# Altium PCB PCB5.PcbDoc (part 12 of 16)
Units mil, origin at the board's own origin, x right, y up, seen from the top; angles counter-clockwise.
Board outline 9210.27 x 4350.4 mil, 4 copper layers (Top Layer, Layer 1, Layer 2, Bottom Layer), stack 23.756 mil thick; 1550 components, 1731 nets, 5196 pads, 1890 vias.
Unrouted connection lines stored in the file: 2462.
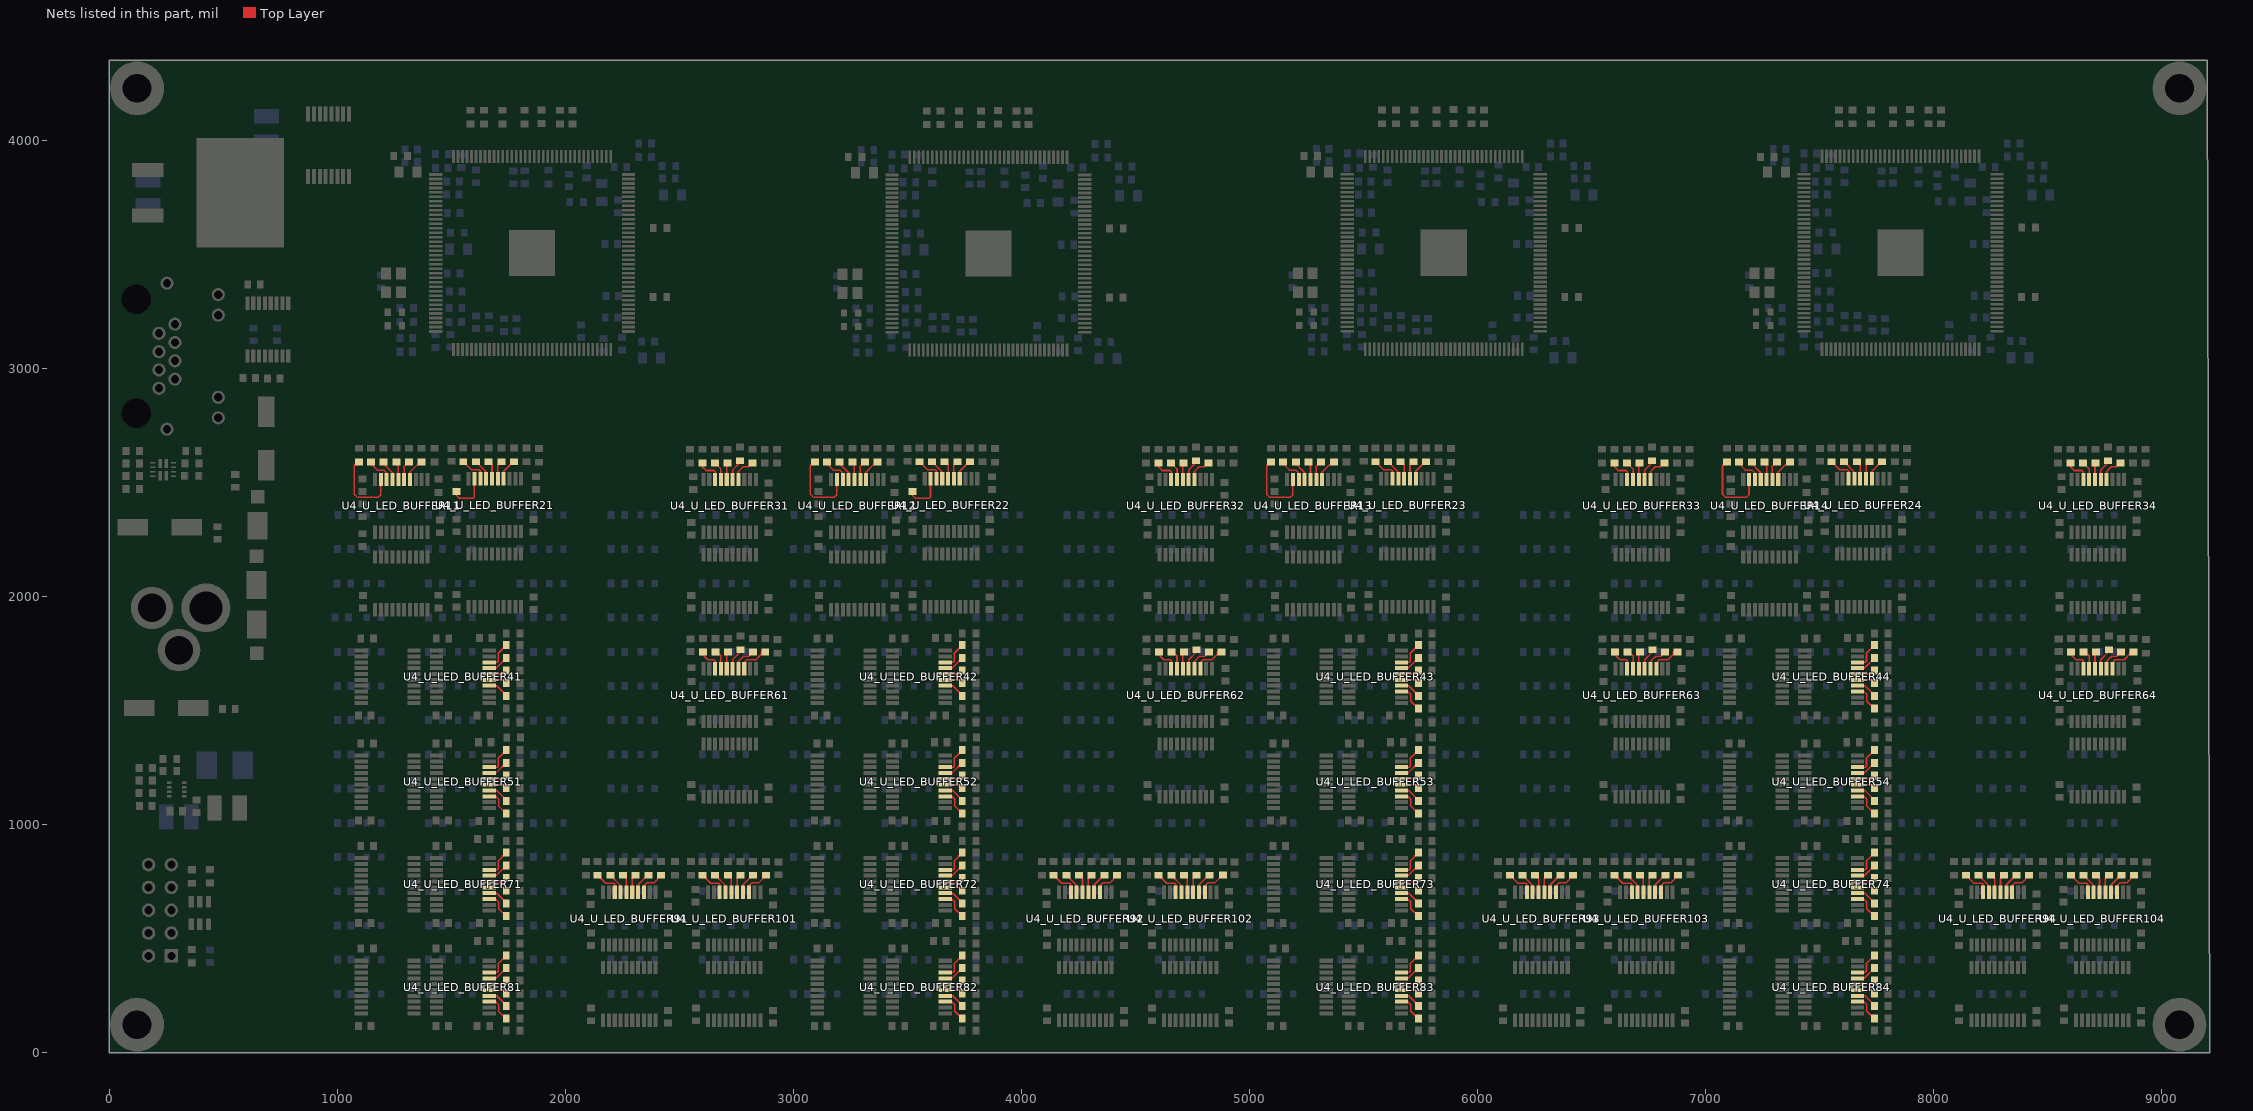
[diagram p14: the nets of this part, all layers, seen from the top]

## Via types
v1: diameter 24, hole 12, Top Layer to Bottom Layer, tented both sides, 1882 vias
v2: diameter 24, hole 12, Top Layer to Bottom Layer, 8 vias

## Nets (pads, with @x,y where several pads share a name; then routed paths per layer and width w, separated by ;. In a path a pad name is that pad's centre, name@x,y a point inside that pad or via, vN(x,y) a via of type N, cw(c..) or ccw(c..) an arc to the next point about the centre after c; other vN are vias at no path point) (continued)
NetR48_U_LED_BUFFER43_1: R48_U_LED_BUFFER43.1 U4_U_LED_BUFFER43.3 | length 122.9
  Top Layer w7: U4_U_LED_BUFFER43.3@5666.3,1583.19 5694.61,1583.19 5707.16,1570.63 5707.16,1540.63 5739.52,1508.28 R48_U_LED_BUFFER43.1@5740.63,1508.28
NetR48_U_LED_BUFFER44_1: R48_U_LED_BUFFER44.1 U4_U_LED_BUFFER44.3 | length 122.9
  Top Layer w7: U4_U_LED_BUFFER44.3@7666.3,1583.19 7694.61,1583.19 7707.16,1570.63 7707.16,1540.63 7739.52,1508.28 R48_U_LED_BUFFER44.1@7740.63,1508.28
NetR48_U_LED_BUFFER51_1: R48_U_LED_BUFFER51.1 U4_U_LED_BUFFER51.3 | length 122.9
  Top Layer w7: U4_U_LED_BUFFER51.3@1666.3,1123.19 1694.61,1123.19 1707.16,1110.63 1707.16,1080.63 1739.52,1048.28 R48_U_LED_BUFFER51.1@1740.63,1048.28
NetR48_U_LED_BUFFER52_1: R48_U_LED_BUFFER52.1 U4_U_LED_BUFFER52.3 | length 122.9
  Top Layer w7: U4_U_LED_BUFFER52.3@3666.3,1123.19 3694.61,1123.19 3707.16,1110.63 3707.16,1080.63 3739.52,1048.28 R48_U_LED_BUFFER52.1@3740.63,1048.28
NetR48_U_LED_BUFFER53_1: R48_U_LED_BUFFER53.1 U4_U_LED_BUFFER53.3 | length 122.9
  Top Layer w7: U4_U_LED_BUFFER53.3@5666.3,1123.19 5694.61,1123.19 5707.16,1110.63 5707.16,1080.63 5739.52,1048.28 R48_U_LED_BUFFER53.1@5740.63,1048.28
NetR48_U_LED_BUFFER54_1: R48_U_LED_BUFFER54.1 U4_U_LED_BUFFER54.3 | length 122.9
  Top Layer w7: U4_U_LED_BUFFER54.3@7666.3,1123.19 7694.61,1123.19 7707.16,1110.63 7707.16,1080.63 7739.52,1048.28 R48_U_LED_BUFFER54.1@7740.63,1048.28
NetR48_U_LED_BUFFER61_1: R48_U_LED_BUFFER61.1 U4_U_LED_BUFFER61.3 | length 128
  Top Layer w7: U4_U_LED_BUFFER61.3@2784.61,1682.83 2784.61,1709.99 2796.99,1722.37 2835.71,1722.37 2859.52,1746.18 R48_U_LED_BUFFER61.1@2859.52,1757.16
NetR48_U_LED_BUFFER62_1: R48_U_LED_BUFFER62.1 U4_U_LED_BUFFER62.3 | length 128
  Top Layer w7: U4_U_LED_BUFFER62.3@4784.61,1682.83 4784.61,1709.99 4796.99,1722.37 4835.71,1722.37 4859.52,1746.18 R48_U_LED_BUFFER62.1@4859.52,1757.16
NetR48_U_LED_BUFFER63_1: R48_U_LED_BUFFER63.1 U4_U_LED_BUFFER63.3 | length 128
  Top Layer w7: U4_U_LED_BUFFER63.3@6784.61,1682.83 6784.61,1709.99 6796.99,1722.37 6835.71,1722.37 6859.52,1746.18 R48_U_LED_BUFFER63.1@6859.52,1757.16
NetR48_U_LED_BUFFER64_1: R48_U_LED_BUFFER64.1 U4_U_LED_BUFFER64.3 | length 128
  Top Layer w7: U4_U_LED_BUFFER64.3@8784.61,1682.83 8784.61,1709.99 8796.99,1722.37 8835.71,1722.37 8859.52,1746.18 R48_U_LED_BUFFER64.1@8859.52,1757.16
NetR48_U_LED_BUFFER71_1: R48_U_LED_BUFFER71.1 U4_U_LED_BUFFER71.3 | length 122.9
  Top Layer w7: U4_U_LED_BUFFER71.3@1666.3,673.19 1694.61,673.19 1707.16,660.63 1707.16,630.63 1739.52,598.28 R48_U_LED_BUFFER71.1@1740.63,598.28
NetR48_U_LED_BUFFER72_1: R48_U_LED_BUFFER72.1 U4_U_LED_BUFFER72.3 | length 122.9
  Top Layer w7: U4_U_LED_BUFFER72.3@3666.3,673.19 3694.61,673.19 3707.16,660.63 3707.16,630.63 3739.52,598.28 R48_U_LED_BUFFER72.1@3740.63,598.28
NetR48_U_LED_BUFFER73_1: R48_U_LED_BUFFER73.1 U4_U_LED_BUFFER73.3 | length 122.9
  Top Layer w7: U4_U_LED_BUFFER73.3@5666.3,673.19 5694.61,673.19 5707.16,660.63 5707.16,630.63 5739.52,598.28 R48_U_LED_BUFFER73.1@5740.63,598.28
NetR48_U_LED_BUFFER74_1: R48_U_LED_BUFFER74.1 U4_U_LED_BUFFER74.3 | length 122.9
  Top Layer w7: U4_U_LED_BUFFER74.3@7666.3,673.19 7694.61,673.19 7707.16,660.63 7707.16,630.63 7739.52,598.28 R48_U_LED_BUFFER74.1@7740.63,598.28
NetR48_U_LED_BUFFER81_1: R48_U_LED_BUFFER81.1 U4_U_LED_BUFFER81.3 | length 122.9
  Top Layer w7: U4_U_LED_BUFFER81.3@1666.3,223.19 1694.61,223.19 1707.16,210.63 1707.16,180.63 1739.52,148.28 R48_U_LED_BUFFER81.1@1740.63,148.28
NetR48_U_LED_BUFFER82_1: R48_U_LED_BUFFER82.1 U4_U_LED_BUFFER82.3 | length 122.9
  Top Layer w7: U4_U_LED_BUFFER82.3@3666.3,223.19 3694.61,223.19 3707.16,210.63 3707.16,180.63 3739.52,148.28 R48_U_LED_BUFFER82.1@3740.63,148.28
NetR48_U_LED_BUFFER83_1: R48_U_LED_BUFFER83.1 U4_U_LED_BUFFER83.3 | length 122.9
  Top Layer w7: U4_U_LED_BUFFER83.3@5666.3,223.19 5694.61,223.19 5707.16,210.63 5707.16,180.63 5739.52,148.28 R48_U_LED_BUFFER83.1@5740.63,148.28
NetR48_U_LED_BUFFER84_1: R48_U_LED_BUFFER84.1 U4_U_LED_BUFFER84.3 | length 122.9
  Top Layer w7: U4_U_LED_BUFFER84.3@7666.3,223.19 7694.61,223.19 7707.16,210.63 7707.16,180.63 7739.52,148.28 R48_U_LED_BUFFER84.1@7740.63,148.28
NetR48_U_LED_BUFFER91_1: R48_U_LED_BUFFER91.1 U4_U_LED_BUFFER91.3 | length 122.9
  Top Layer w7: U4_U_LED_BUFFER91.3@2344.61,702.83 2344.61,731.14 2357.16,743.7 2387.16,743.7 2419.52,776.05 R48_U_LED_BUFFER91.1@2419.52,777.16
NetR48_U_LED_BUFFER92_1: R48_U_LED_BUFFER92.1 U4_U_LED_BUFFER92.3 | length 122.9
  Top Layer w7: U4_U_LED_BUFFER92.3@4344.61,702.83 4344.61,731.14 4357.16,743.7 4387.16,743.7 4419.52,776.05 R48_U_LED_BUFFER92.1@4419.52,777.16
NetR48_U_LED_BUFFER93_1: R48_U_LED_BUFFER93.1 U4_U_LED_BUFFER93.3 | length 122.9
  Top Layer w7: U4_U_LED_BUFFER93.3@6344.61,702.83 6344.61,731.14 6357.16,743.7 6387.16,743.7 6419.52,776.05 R48_U_LED_BUFFER93.1@6419.52,777.16
NetR48_U_LED_BUFFER94_1: R48_U_LED_BUFFER94.1 U4_U_LED_BUFFER94.3 | length 122.9
  Top Layer w7: U4_U_LED_BUFFER94.3@8344.61,702.83 8344.61,731.14 8357.16,743.7 8387.16,743.7 8419.52,776.05 R48_U_LED_BUFFER94.1@8419.52,777.16
NetR48_U_LED_BUFFER101_1: R48_U_LED_BUFFER101.1 U4_U_LED_BUFFER101.3 | length 122.9
  Top Layer w7: U4_U_LED_BUFFER101.3@2804.61,702.83 2804.61,731.14 2817.16,743.7 2847.16,743.7 2879.52,776.05 R48_U_LED_BUFFER101.1@2879.52,777.16
NetR48_U_LED_BUFFER102_1: R48_U_LED_BUFFER102.1 U4_U_LED_BUFFER102.3 | length 122.9
  Top Layer w7: U4_U_LED_BUFFER102.3@4804.61,702.83 4804.61,731.14 4817.16,743.7 4847.16,743.7 4879.52,776.05 R48_U_LED_BUFFER102.1@4879.52,777.16
NetR48_U_LED_BUFFER103_1: R48_U_LED_BUFFER103.1 U4_U_LED_BUFFER103.3 | length 122.9
  Top Layer w7: U4_U_LED_BUFFER103.3@6804.61,702.83 6804.61,731.14 6817.16,743.7 6847.16,743.7 6879.52,776.05 R48_U_LED_BUFFER103.1@6879.52,777.16
NetR48_U_LED_BUFFER104_1: R48_U_LED_BUFFER104.1 U4_U_LED_BUFFER104.3 | length 122.9
  Top Layer w7: U4_U_LED_BUFFER104.3@8804.61,702.83 8804.61,731.14 8817.16,743.7 8847.16,743.7 8879.52,776.05 R48_U_LED_BUFFER104.1@8879.52,777.16
NetR49_U_LED_BUFFER11_1: R49_U_LED_BUFFER11.1 U4_U_LED_BUFFER11.4 | length 94.9
  Top Layer w7: U4_U_LED_BUFFER11.4@1319.02,2512.83 1319.02,2545.55 1360.63,2587.16 R49_U_LED_BUFFER11.1@1363.96,2587.16
NetR49_U_LED_BUFFER12_1: R49_U_LED_BUFFER12.1 U4_U_LED_BUFFER12.4 | length 94.9
  Top Layer w7: U4_U_LED_BUFFER12.4@3319.02,2512.83 3319.02,2545.55 3360.63,2587.16 R49_U_LED_BUFFER12.1@3363.96,2587.16
NetR49_U_LED_BUFFER13_1: R49_U_LED_BUFFER13.1 U4_U_LED_BUFFER13.4 | length 94.9
  Top Layer w7: U4_U_LED_BUFFER13.4@5319.02,2512.83 5319.02,2545.55 5360.63,2587.16 R49_U_LED_BUFFER13.1@5363.96,2587.16
NetR49_U_LED_BUFFER14_1: R49_U_LED_BUFFER14.1 U4_U_LED_BUFFER14.4 | length 94.9
  Top Layer w7: U4_U_LED_BUFFER14.4@7319.02,2512.83 7319.02,2545.55 7360.63,2587.16 R49_U_LED_BUFFER14.1@7363.96,2587.16
NetR49_U_LED_BUFFER21_1: R49_U_LED_BUFFER21.1 U4_U_LED_BUFFER21.4 | length 94.9
  Top Layer w7: U4_U_LED_BUFFER21.4@1729.61,2516.17 1729.61,2548.89 1771.23,2590.5 R49_U_LED_BUFFER21.1@1774.56,2590.5
NetR49_U_LED_BUFFER22_1: R49_U_LED_BUFFER22.1 U4_U_LED_BUFFER22.4 | length 94.9
  Top Layer w7: U4_U_LED_BUFFER22.4@3729.61,2516.17 3729.61,2548.89 3771.23,2590.5 R49_U_LED_BUFFER22.1@3774.56,2590.5
NetR49_U_LED_BUFFER23_1: R49_U_LED_BUFFER23.1 U4_U_LED_BUFFER23.4 | length 94.9
  Top Layer w7: U4_U_LED_BUFFER23.4@5729.61,2516.17 5729.61,2548.89 5771.23,2590.5 R49_U_LED_BUFFER23.1@5774.56,2590.5
NetR49_U_LED_BUFFER24_1: R49_U_LED_BUFFER24.1 U4_U_LED_BUFFER24.4 | length 94.9
  Top Layer w7: U4_U_LED_BUFFER24.4@7729.61,2516.17 7729.61,2548.89 7771.23,2590.5 R49_U_LED_BUFFER24.1@7774.56,2590.5
NetR49_U_LED_BUFFER31_1: R49_U_LED_BUFFER31.1 U4_U_LED_BUFFER31.4 | length 111.8
  Top Layer w7: U4_U_LED_BUFFER31.4@2759.02,2512.83 2759.02,2548.37 2779.09,2568.45 2802.43,2568.45 R49_U_LED_BUFFER31.1@2819.77,2585.79
NetR49_U_LED_BUFFER32_1: R49_U_LED_BUFFER32.1 U4_U_LED_BUFFER32.4 | length 111.8
  Top Layer w7: U4_U_LED_BUFFER32.4@4759.02,2512.83 4759.02,2548.37 4779.09,2568.45 4802.43,2568.45 R49_U_LED_BUFFER32.1@4819.77,2585.79
NetR49_U_LED_BUFFER33_1: R49_U_LED_BUFFER33.1 U4_U_LED_BUFFER33.4 | length 111.8
  Top Layer w7: U4_U_LED_BUFFER33.4@6759.02,2512.83 6759.02,2548.37 6779.09,2568.45 6802.43,2568.45 R49_U_LED_BUFFER33.1@6819.77,2585.79
NetR49_U_LED_BUFFER34_1: R49_U_LED_BUFFER34.1 U4_U_LED_BUFFER34.4 | length 111.8
  Top Layer w7: U4_U_LED_BUFFER34.4@8759.02,2512.83 8759.02,2548.37 8779.09,2568.45 8802.43,2568.45 R49_U_LED_BUFFER34.1@8819.77,2585.79
NetR49_U_LED_BUFFER41_1: R49_U_LED_BUFFER41.1 U4_U_LED_BUFFER41.4 | length 94.9
  Top Layer w7: U4_U_LED_BUFFER41.4@1666.3,1608.78 1699.02,1608.78 1740.63,1567.16 R49_U_LED_BUFFER41.1@1740.63,1563.83
NetR49_U_LED_BUFFER42_1: R49_U_LED_BUFFER42.1 U4_U_LED_BUFFER42.4 | length 94.9
  Top Layer w7: U4_U_LED_BUFFER42.4@3666.3,1608.78 3699.02,1608.78 3740.63,1567.16 R49_U_LED_BUFFER42.1@3740.63,1563.83
NetR49_U_LED_BUFFER43_1: R49_U_LED_BUFFER43.1 U4_U_LED_BUFFER43.4 | length 94.9
  Top Layer w7: U4_U_LED_BUFFER43.4@5666.3,1608.78 5699.02,1608.78 5740.63,1567.16 R49_U_LED_BUFFER43.1@5740.63,1563.83
NetR49_U_LED_BUFFER44_1: R49_U_LED_BUFFER44.1 U4_U_LED_BUFFER44.4 | length 94.9
  Top Layer w7: U4_U_LED_BUFFER44.4@7666.3,1608.78 7699.02,1608.78 7740.63,1567.16 R49_U_LED_BUFFER44.1@7740.63,1563.83
NetR49_U_LED_BUFFER51_1: R49_U_LED_BUFFER51.1 U4_U_LED_BUFFER51.4 | length 94.9
  Top Layer w7: U4_U_LED_BUFFER51.4@1666.3,1148.78 1699.02,1148.78 1740.63,1107.16 R49_U_LED_BUFFER51.1@1740.63,1103.83
NetR49_U_LED_BUFFER52_1: R49_U_LED_BUFFER52.1 U4_U_LED_BUFFER52.4 | length 94.9
  Top Layer w7: U4_U_LED_BUFFER52.4@3666.3,1148.78 3699.02,1148.78 3740.63,1107.16 R49_U_LED_BUFFER52.1@3740.63,1103.83
NetR49_U_LED_BUFFER53_1: R49_U_LED_BUFFER53.1 U4_U_LED_BUFFER53.4 | length 94.9
  Top Layer w7: U4_U_LED_BUFFER53.4@5666.3,1148.78 5699.02,1148.78 5740.63,1107.16 R49_U_LED_BUFFER53.1@5740.63,1103.83
NetR49_U_LED_BUFFER54_1: R49_U_LED_BUFFER54.1 U4_U_LED_BUFFER54.4 | length 94.9
  Top Layer w7: U4_U_LED_BUFFER54.4@7666.3,1148.78 7699.02,1148.78 7740.63,1107.16 R49_U_LED_BUFFER54.1@7740.63,1103.83
NetR49_U_LED_BUFFER61_1: R49_U_LED_BUFFER61.1 U4_U_LED_BUFFER61.4 | length 112.5
  Top Layer w7: U4_U_LED_BUFFER61.4@2759.02,1682.83 2759.02,1715.55 2766.63,1723.16 2781.27,1737.81 2803.8,1737.81 R49_U_LED_BUFFER61.1@2822.05,1756.05
NetR49_U_LED_BUFFER62_1: R49_U_LED_BUFFER62.1 U4_U_LED_BUFFER62.4 | length 112.5
  Top Layer w7: U4_U_LED_BUFFER62.4@4759.02,1682.83 4759.02,1715.55 4766.63,1723.16 4781.27,1737.81 4803.8,1737.81 R49_U_LED_BUFFER62.1@4822.05,1756.05
NetR49_U_LED_BUFFER63_1: R49_U_LED_BUFFER63.1 U4_U_LED_BUFFER63.4 | length 112.5
  Top Layer w7: U4_U_LED_BUFFER63.4@6759.02,1682.83 6759.02,1715.55 6766.63,1723.16 6781.27,1737.81 6803.8,1737.81 R49_U_LED_BUFFER63.1@6822.05,1756.05
NetR49_U_LED_BUFFER64_1: R49_U_LED_BUFFER64.1 U4_U_LED_BUFFER64.4 | length 112.5
  Top Layer w7: U4_U_LED_BUFFER64.4@8759.02,1682.83 8759.02,1715.55 8766.63,1723.16 8781.27,1737.81 8803.8,1737.81 R49_U_LED_BUFFER64.1@8822.05,1756.05
NetR49_U_LED_BUFFER71_1: R49_U_LED_BUFFER71.1 U4_U_LED_BUFFER71.4 | length 94.9
  Top Layer w7: U4_U_LED_BUFFER71.4@1666.3,698.78 1699.02,698.78 1740.63,657.16 R49_U_LED_BUFFER71.1@1740.63,653.83
NetR49_U_LED_BUFFER72_1: R49_U_LED_BUFFER72.1 U4_U_LED_BUFFER72.4 | length 94.9
  Top Layer w7: U4_U_LED_BUFFER72.4@3666.3,698.78 3699.02,698.78 3740.63,657.16 R49_U_LED_BUFFER72.1@3740.63,653.83
NetR49_U_LED_BUFFER73_1: R49_U_LED_BUFFER73.1 U4_U_LED_BUFFER73.4 | length 94.9
  Top Layer w7: U4_U_LED_BUFFER73.4@5666.3,698.78 5699.02,698.78 5740.63,657.16 R49_U_LED_BUFFER73.1@5740.63,653.83
NetR49_U_LED_BUFFER74_1: R49_U_LED_BUFFER74.1 U4_U_LED_BUFFER74.4 | length 94.9
  Top Layer w7: U4_U_LED_BUFFER74.4@7666.3,698.78 7699.02,698.78 7740.63,657.16 R49_U_LED_BUFFER74.1@7740.63,653.83
NetR49_U_LED_BUFFER81_1: R49_U_LED_BUFFER81.1 U4_U_LED_BUFFER81.4 | length 94.9
  Top Layer w7: U4_U_LED_BUFFER81.4@1666.3,248.78 1699.02,248.78 1740.63,207.16 R49_U_LED_BUFFER81.1@1740.63,203.83
NetR49_U_LED_BUFFER82_1: R49_U_LED_BUFFER82.1 U4_U_LED_BUFFER82.4 | length 94.9
  Top Layer w7: U4_U_LED_BUFFER82.4@3666.3,248.78 3699.02,248.78 3740.63,207.16 R49_U_LED_BUFFER82.1@3740.63,203.83
NetR49_U_LED_BUFFER83_1: R49_U_LED_BUFFER83.1 U4_U_LED_BUFFER83.4 | length 94.9
  Top Layer w7: U4_U_LED_BUFFER83.4@5666.3,248.78 5699.02,248.78 5740.63,207.16 R49_U_LED_BUFFER83.1@5740.63,203.83
NetR49_U_LED_BUFFER84_1: R49_U_LED_BUFFER84.1 U4_U_LED_BUFFER84.4 | length 94.9
  Top Layer w7: U4_U_LED_BUFFER84.4@7666.3,248.78 7699.02,248.78 7740.63,207.16 R49_U_LED_BUFFER84.1@7740.63,203.83
NetR49_U_LED_BUFFER91_1: R49_U_LED_BUFFER91.1 U4_U_LED_BUFFER91.4 | length 94.9
  Top Layer w7: U4_U_LED_BUFFER91.4@2319.02,702.83 2319.02,735.55 2360.63,777.16 R49_U_LED_BUFFER91.1@2363.96,777.16
NetR49_U_LED_BUFFER92_1: R49_U_LED_BUFFER92.1 U4_U_LED_BUFFER92.4 | length 94.9
  Top Layer w7: U4_U_LED_BUFFER92.4@4319.02,702.83 4319.02,735.55 4360.63,777.16 R49_U_LED_BUFFER92.1@4363.96,777.16
NetR49_U_LED_BUFFER93_1: R49_U_LED_BUFFER93.1 U4_U_LED_BUFFER93.4 | length 94.9
  Top Layer w7: U4_U_LED_BUFFER93.4@6319.02,702.83 6319.02,735.55 6360.63,777.16 R49_U_LED_BUFFER93.1@6363.96,777.16
NetR49_U_LED_BUFFER94_1: R49_U_LED_BUFFER94.1 U4_U_LED_BUFFER94.4 | length 94.9
  Top Layer w7: U4_U_LED_BUFFER94.4@8319.02,702.83 8319.02,735.55 8360.63,777.16 R49_U_LED_BUFFER94.1@8363.96,777.16
NetR49_U_LED_BUFFER101_1: R49_U_LED_BUFFER101.1 U4_U_LED_BUFFER101.4 | length 94.9
  Top Layer w7: U4_U_LED_BUFFER101.4@2779.02,702.83 2779.02,735.55 2820.63,777.16 R49_U_LED_BUFFER101.1@2823.96,777.16
NetR49_U_LED_BUFFER102_1: R49_U_LED_BUFFER102.1 U4_U_LED_BUFFER102.4 | length 94.9
  Top Layer w7: U4_U_LED_BUFFER102.4@4779.02,702.83 4779.02,735.55 4820.63,777.16 R49_U_LED_BUFFER102.1@4823.96,777.16
NetR49_U_LED_BUFFER103_1: R49_U_LED_BUFFER103.1 U4_U_LED_BUFFER103.4 | length 94.9
  Top Layer w7: U4_U_LED_BUFFER103.4@6779.02,702.83 6779.02,735.55 6820.63,777.16 R49_U_LED_BUFFER103.1@6823.96,777.16
NetR49_U_LED_BUFFER104_1: R49_U_LED_BUFFER104.1 U4_U_LED_BUFFER104.4 | length 94.9
  Top Layer w7: U4_U_LED_BUFFER104.4@8779.02,702.83 8779.02,735.55 8820.63,777.16 R49_U_LED_BUFFER104.1@8823.96,777.16
NetR50_U_LED_BUFFER11_1: R50_U_LED_BUFFER11.1 U4_U_LED_BUFFER11.5 | length 80.5
  Top Layer w7: U4_U_LED_BUFFER11.5@1293.43,2512.83 1293.43,2572.18 R50_U_LED_BUFFER11.1@1308.41,2587.16
NetR50_U_LED_BUFFER12_1: R50_U_LED_BUFFER12.1 U4_U_LED_BUFFER12.5 | length 80.5
  Top Layer w7: U4_U_LED_BUFFER12.5@3293.43,2512.83 3293.43,2572.18 R50_U_LED_BUFFER12.1@3308.41,2587.16
NetR50_U_LED_BUFFER13_1: R50_U_LED_BUFFER13.1 U4_U_LED_BUFFER13.5 | length 80.5
  Top Layer w7: U4_U_LED_BUFFER13.5@5293.43,2512.83 5293.43,2572.18 R50_U_LED_BUFFER13.1@5308.41,2587.16
NetR50_U_LED_BUFFER14_1: R50_U_LED_BUFFER14.1 U4_U_LED_BUFFER14.5 | length 80.5
  Top Layer w7: U4_U_LED_BUFFER14.5@7293.43,2512.83 7293.43,2572.18 R50_U_LED_BUFFER14.1@7308.41,2587.16
NetR50_U_LED_BUFFER21_1: R50_U_LED_BUFFER21.1 U4_U_LED_BUFFER21.5 | length 80.5
  Top Layer w7: U4_U_LED_BUFFER21.5@1704.02,2516.17 1704.02,2575.52 R50_U_LED_BUFFER21.1@1719.01,2590.5
NetR50_U_LED_BUFFER22_1: R50_U_LED_BUFFER22.1 U4_U_LED_BUFFER22.5 | length 80.5
  Top Layer w7: U4_U_LED_BUFFER22.5@3704.02,2516.17 3704.02,2575.52 R50_U_LED_BUFFER22.1@3719,2590.5
NetR50_U_LED_BUFFER23_1: R50_U_LED_BUFFER23.1 U4_U_LED_BUFFER23.5 | length 80.5
  Top Layer w7: U4_U_LED_BUFFER23.5@5704.02,2516.17 5704.02,2575.52 R50_U_LED_BUFFER23.1@5719,2590.5
NetR50_U_LED_BUFFER24_1: R50_U_LED_BUFFER24.1 U4_U_LED_BUFFER24.5 | length 80.5
  Top Layer w7: U4_U_LED_BUFFER24.5@7704.02,2516.17 7704.02,2575.52 R50_U_LED_BUFFER24.1@7719,2590.5
NetR50_U_LED_BUFFER31_1: R50_U_LED_BUFFER31.1 U4_U_LED_BUFFER31.5 | length 86.1
  Top Layer w7: U4_U_LED_BUFFER31.5@2733.43,2512.83 2733.43,2554.16 R50_U_LED_BUFFER31.1@2765.06,2585.79
NetR50_U_LED_BUFFER32_1: R50_U_LED_BUFFER32.1 U4_U_LED_BUFFER32.5 | length 86.1
  Top Layer w7: U4_U_LED_BUFFER32.5@4733.43,2512.83 4733.43,2554.16 R50_U_LED_BUFFER32.1@4765.06,2585.79
NetR50_U_LED_BUFFER33_1: R50_U_LED_BUFFER33.1 U4_U_LED_BUFFER33.5 | length 86.1
  Top Layer w7: U4_U_LED_BUFFER33.5@6733.43,2512.83 6733.43,2554.16 R50_U_LED_BUFFER33.1@6765.06,2585.79
NetR50_U_LED_BUFFER34_1: R50_U_LED_BUFFER34.1 U4_U_LED_BUFFER34.5 | length 86.1
  Top Layer w7: U4_U_LED_BUFFER34.5@8733.43,2512.83 8733.43,2554.16 R50_U_LED_BUFFER34.1@8765.06,2585.79
NetR50_U_LED_BUFFER41_1: R50_U_LED_BUFFER41.1 U4_U_LED_BUFFER41.5 | length 80.5
  Top Layer w7: U4_U_LED_BUFFER41.5@1666.3,1634.37 1725.65,1634.37 R50_U_LED_BUFFER41.1@1740.63,1619.39
NetR50_U_LED_BUFFER42_1: R50_U_LED_BUFFER42.1 U4_U_LED_BUFFER42.5 | length 80.5
  Top Layer w7: U4_U_LED_BUFFER42.5@3666.3,1634.37 3725.65,1634.37 R50_U_LED_BUFFER42.1@3740.63,1619.39
NetR50_U_LED_BUFFER43_1: R50_U_LED_BUFFER43.1 U4_U_LED_BUFFER43.5 | length 80.5
  Top Layer w7: U4_U_LED_BUFFER43.5@5666.3,1634.37 5725.65,1634.37 R50_U_LED_BUFFER43.1@5740.63,1619.39
NetR50_U_LED_BUFFER44_1: R50_U_LED_BUFFER44.1 U4_U_LED_BUFFER44.5 | length 80.5
  Top Layer w7: U4_U_LED_BUFFER44.5@7666.3,1634.37 7725.65,1634.37 R50_U_LED_BUFFER44.1@7740.63,1619.39
NetR50_U_LED_BUFFER51_1: R50_U_LED_BUFFER51.1 U4_U_LED_BUFFER51.5 | length 80.5
  Top Layer w7: U4_U_LED_BUFFER51.5@1666.3,1174.37 1725.65,1174.37 R50_U_LED_BUFFER51.1@1740.63,1159.39
NetR50_U_LED_BUFFER52_1: R50_U_LED_BUFFER52.1 U4_U_LED_BUFFER52.5 | length 80.5
  Top Layer w7: U4_U_LED_BUFFER52.5@3666.3,1174.37 3725.65,1174.37 R50_U_LED_BUFFER52.1@3740.63,1159.39
NetR50_U_LED_BUFFER53_1: R50_U_LED_BUFFER53.1 U4_U_LED_BUFFER53.5 | length 80.5
  Top Layer w7: U4_U_LED_BUFFER53.5@5666.3,1174.37 5725.65,1174.37 R50_U_LED_BUFFER53.1@5740.63,1159.39
NetR50_U_LED_BUFFER54_1: R50_U_LED_BUFFER54.1 U4_U_LED_BUFFER54.5 | length 80.5
  Top Layer w7: U4_U_LED_BUFFER54.5@7666.3,1174.37 7725.65,1174.37 R50_U_LED_BUFFER54.1@7740.63,1159.39
NetR50_U_LED_BUFFER61_1: R50_U_LED_BUFFER61.1 U4_U_LED_BUFFER61.5 | length 87.3
  Top Layer w7: U4_U_LED_BUFFER61.5@2733.43,1682.83 2733.43,1722.03 R50_U_LED_BUFFER61.1@2767.45,1756.05
NetR50_U_LED_BUFFER62_1: R50_U_LED_BUFFER62.1 U4_U_LED_BUFFER62.5 | length 87.3
  Top Layer w7: U4_U_LED_BUFFER62.5@4733.43,1682.83 4733.43,1722.03 R50_U_LED_BUFFER62.1@4767.45,1756.05
NetR50_U_LED_BUFFER63_1: R50_U_LED_BUFFER63.1 U4_U_LED_BUFFER63.5 | length 87.3
  Top Layer w7: U4_U_LED_BUFFER63.5@6733.43,1682.83 6733.43,1722.03 R50_U_LED_BUFFER63.1@6767.45,1756.05
NetR50_U_LED_BUFFER64_1: R50_U_LED_BUFFER64.1 U4_U_LED_BUFFER64.5 | length 87.3
  Top Layer w7: U4_U_LED_BUFFER64.5@8733.43,1682.83 8733.43,1722.03 R50_U_LED_BUFFER64.1@8767.45,1756.05
NetR50_U_LED_BUFFER71_1: R50_U_LED_BUFFER71.1 U4_U_LED_BUFFER71.5 | length 80.5
  Top Layer w7: U4_U_LED_BUFFER71.5@1666.3,724.37 1725.65,724.37 R50_U_LED_BUFFER71.1@1740.63,709.39
NetR50_U_LED_BUFFER72_1: R50_U_LED_BUFFER72.1 U4_U_LED_BUFFER72.5 | length 80.5
  Top Layer w7: U4_U_LED_BUFFER72.5@3666.3,724.37 3725.65,724.37 R50_U_LED_BUFFER72.1@3740.63,709.39
NetR50_U_LED_BUFFER73_1: R50_U_LED_BUFFER73.1 U4_U_LED_BUFFER73.5 | length 80.5
  Top Layer w7: U4_U_LED_BUFFER73.5@5666.3,724.37 5725.65,724.37 R50_U_LED_BUFFER73.1@5740.63,709.39
NetR50_U_LED_BUFFER74_1: R50_U_LED_BUFFER74.1 U4_U_LED_BUFFER74.5 | length 80.5
  Top Layer w7: U4_U_LED_BUFFER74.5@7666.3,724.37 7725.65,724.37 R50_U_LED_BUFFER74.1@7740.63,709.39
NetR50_U_LED_BUFFER81_1: R50_U_LED_BUFFER81.1 U4_U_LED_BUFFER81.5 | length 80.5
  Top Layer w7: U4_U_LED_BUFFER81.5@1666.3,274.37 1725.65,274.37 R50_U_LED_BUFFER81.1@1740.63,259.39
NetR50_U_LED_BUFFER82_1: R50_U_LED_BUFFER82.1 U4_U_LED_BUFFER82.5 | length 80.5
  Top Layer w7: U4_U_LED_BUFFER82.5@3666.3,274.37 3725.65,274.37 R50_U_LED_BUFFER82.1@3740.63,259.39
NetR50_U_LED_BUFFER83_1: R50_U_LED_BUFFER83.1 U4_U_LED_BUFFER83.5 | length 80.5
  Top Layer w7: U4_U_LED_BUFFER83.5@5666.3,274.37 5725.65,274.37 R50_U_LED_BUFFER83.1@5740.63,259.39
NetR50_U_LED_BUFFER84_1: R50_U_LED_BUFFER84.1 U4_U_LED_BUFFER84.5 | length 80.5
  Top Layer w7: U4_U_LED_BUFFER84.5@7666.3,274.37 7725.65,274.37 R50_U_LED_BUFFER84.1@7740.63,259.39
NetR50_U_LED_BUFFER91_1: R50_U_LED_BUFFER91.1 U4_U_LED_BUFFER91.5 | length 80.5
  Top Layer w7: U4_U_LED_BUFFER91.5@2293.43,702.83 2293.43,762.18 R50_U_LED_BUFFER91.1@2308.41,777.16
NetR50_U_LED_BUFFER92_1: R50_U_LED_BUFFER92.1 U4_U_LED_BUFFER92.5 | length 80.5
  Top Layer w7: U4_U_LED_BUFFER92.5@4293.43,702.83 4293.43,762.18 R50_U_LED_BUFFER92.1@4308.41,777.16
NetR50_U_LED_BUFFER93_1: R50_U_LED_BUFFER93.1 U4_U_LED_BUFFER93.5 | length 80.5
  Top Layer w7: U4_U_LED_BUFFER93.5@6293.43,702.83 6293.43,762.18 R50_U_LED_BUFFER93.1@6308.41,777.16
NetR50_U_LED_BUFFER94_1: R50_U_LED_BUFFER94.1 U4_U_LED_BUFFER94.5 | length 80.5
  Top Layer w7: U4_U_LED_BUFFER94.5@8293.43,702.83 8293.43,762.18 R50_U_LED_BUFFER94.1@8308.41,777.16
NetR50_U_LED_BUFFER101_1: R50_U_LED_BUFFER101.1 U4_U_LED_BUFFER101.5 | length 80.5
  Top Layer w7: U4_U_LED_BUFFER101.5@2753.43,702.83 2753.43,762.18 R50_U_LED_BUFFER101.1@2768.41,777.16
NetR50_U_LED_BUFFER102_1: R50_U_LED_BUFFER102.1 U4_U_LED_BUFFER102.5 | length 80.5
  Top Layer w7: U4_U_LED_BUFFER102.5@4753.43,702.83 4753.43,762.18 R50_U_LED_BUFFER102.1@4768.41,777.16
NetR50_U_LED_BUFFER103_1: R50_U_LED_BUFFER103.1 U4_U_LED_BUFFER103.5 | length 80.5
  Top Layer w7: U4_U_LED_BUFFER103.5@6753.43,702.83 6753.43,762.18 R50_U_LED_BUFFER103.1@6768.41,777.16
NetR50_U_LED_BUFFER104_1: R50_U_LED_BUFFER104.1 U4_U_LED_BUFFER104.5 | length 80.5
  Top Layer w7: U4_U_LED_BUFFER104.5@8753.43,702.83 8753.43,762.18 R50_U_LED_BUFFER104.1@8768.41,777.16
NetR51_U_LED_BUFFER11_1: R51_U_LED_BUFFER11.1 U4_U_LED_BUFFER11.6 | length 80.5